# Altium PCB PCB1.PcbDoc (part 4 of 5)
Units mm, origin at the board's own origin, x right, y up, seen from the top; angles counter-clockwise.
Board outline 160 x 50 mm, 6 copper layers (Top Layer, Layer 1, Top Middle Layer, Bottom Middle Layer, Layer 2, Bottom Layer), stack 0.885 mm thick; 337 components, 281 nets, 1269 pads, 489 vias.
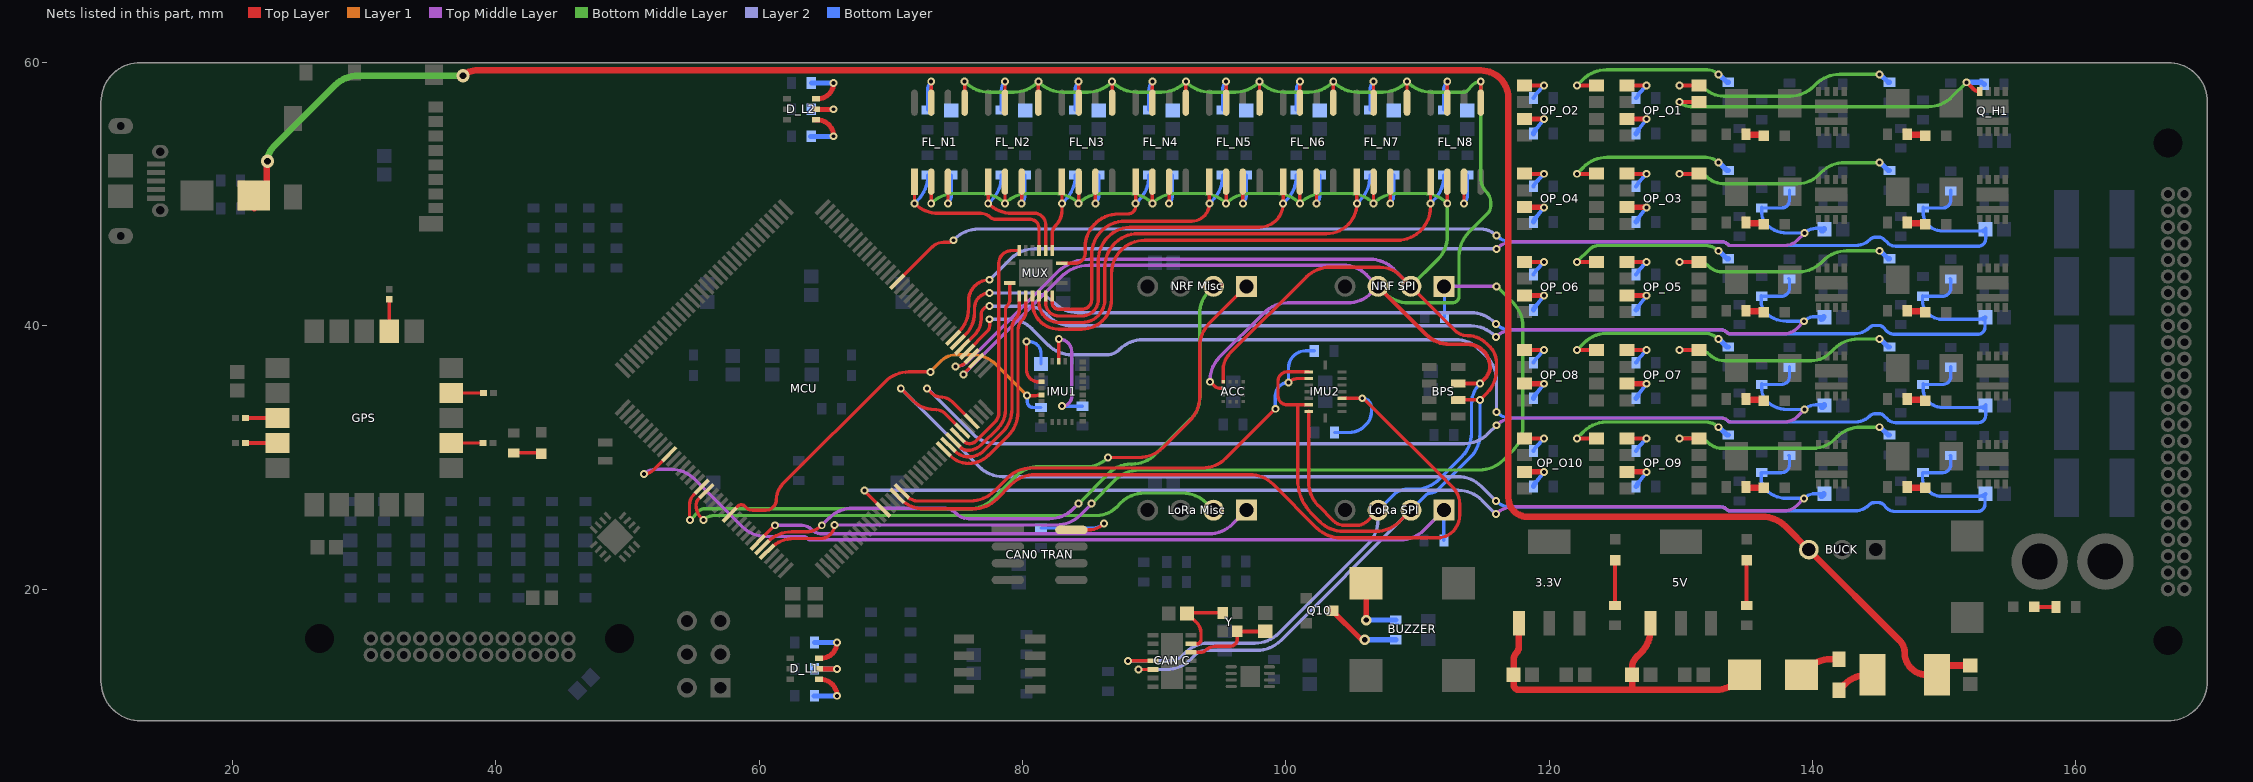
[diagram p8: the nets of this part, all layers, seen from the top]

## Via types
v1: diameter 0.6, hole 0.3, Top Layer to Bottom Layer, 440 vias
v2: diameter 1, hole 0.5, Top Layer to Bottom Layer, 25 vias
v3: diameter 0.8, hole 0.4, Top Layer to Bottom Layer, 12 vias
v4: diameter 6, hole 3.2, Top Layer to Bottom Layer, 5 vias
v5: diameter 0.5, hole 0.3, Top Layer to Bottom Layer, 4 vias
v6: diameter 1.4, hole 0.7, Top Layer to Bottom Layer, 2 vias
v7: diameter 1, hole 0.6, Top Layer to Bottom Layer, 1 vias

## Nets (pads, with @x,y where several pads share a name; then routed paths per layer and width w, separated by ;. In a path a pad name is that pad's centre, name@x,y a point inside that pad or via, vN(x,y) a via of type N, cw(c..) or ccw(c..) an arc to the next point about the centre after c; other vN are vias at no path point) (continued)
"HPO VD3": C_H3.2 MCU.128 R8_H3.1 R9_H3.2 | length 95.7
  Top Layer w0.254: MCU.128@70.485,43.343 73.133,45.991 cw(c74,45.124) 74,46.35 74.388,46.35 ccw(c74.388,46.862) v1(74.75,46.5)
  Layer 2 w0.254: v1(74.75,46.5) 74.856,46.606 cw(c76.652,44.81) 76.652,47.35 114.793,47.35 cw(c114.793,45.643) v1(116,46.85)
  Bottom Layer w0.254: v1(116,46.85) ccw(c117.086,47.936) 117.086,46.4 133.067,46.4 cw(c133.067,45.717) 133.55,46.2 ccw(c133.791,46.441) 133.791,46.1 143.264,46.1 ccw(c143.264,47.636) 144.35,46.55 cw(c144.785,46.115) 144.785,46.73 145.07,46.73 cw(c145.07,46.247) 145.411,46.589 145.7,46.3 ccw(c146.304,46.904) 146.304,46.05 152.6,46.05 ccw(c152.6,46.6) 153.15,46.6 C_H3.2@153.15,47.4 ; R8_H3.1@148.4,49 R8_H3.1@148.4,48.95 ; R9_H3.2@150.5,50.25 150.5,49.55 cw(c149.9,49.55) 149.9,48.95 R8_H3.1@148.4,48.95 ; C_H3.2@152.95,47.15 ccw(c152.95,47.35) C_H3.2@153.15,47.35 ; C_H3.2@152.95,47.2 ccw(c152.95,47.4) C_H3.2@153.15,47.4 ; R8_H3.1@148.4,48.95 148.4,48.616 ccw(c149.766,48.616) 148.8,47.65 ccw(c149.886,48.736) 149.886,47.2 152.667,47.2 ccw(c152.667,47.883) C_H3.2@153.15,47.4
"HPO VD4": C_H4.2 MCU.116 R8_H4.1 R9_H4.2 | length 78.8
  Top Layer w0.254: MCU.116@74.728,39.101 75.167,39.539 ccw(c73.406,41.3) 75.896,41.3 75.896,41.35 cw(c77.5,41.35) 75.9,41.456 ccw(c75.646,41.472) 75.9,41.471 75.9,41.9 cw(c77.5,41.9) v1(77.5,43.5)
  Top Middle Layer w0.254: v1(116,45.85) cw(c117.328,44.522) 117.328,46.4 133.067,46.4 cw(c133.067,45.717) 133.55,46.2 ccw(c133.791,46.441) 133.791,46.1 137.9,46.1 ccw(c137.9,47.428) 138.839,46.489 v1(139.4,47.05)
  Layer 2 w0.254: v1(77.5,43.5) 79.106,45.106 cw(c80.902,43.31) 80.902,45.85 v1(116,45.85)
  Bottom Layer w0.254: R8_H4.1@136.15,48.95 137.65,48.95 ccw(c137.65,49.55) 138.25,49.55 R9_H4.2@138.25,50.25 ; R8_H4.1@136.15,49 136.15,48.545 ccw(c137.345,48.545) 136.5,47.7 ccw(c138.069,49.269) 138.069,47.05 v1(139.4,47.05) cw(c140.245,46.205) 140.245,47.4 C_H4.2@140.9,47.4 ; C_H4.2@140.7,47.15 ccw(c140.7,47.35) C_H4.2@140.9,47.35
  Bottom Layer w0.4: C_H4.2@140.7,47.2 ccw(c140.7,47.4) C_H4.2@140.9,47.4
"HPO VD5": C_H5.2 MCU.115 R8_H5.1 R9_H5.2 | length 92.5
  Top Layer w0.254: MCU.115@75.081,38.747 75.654,39.319 ccw(c73.973,41) 76.35,41 76.35,41.35 cw(c77.5,41.35) v1(77.5,42.5)
  Layer 2 w0.254: v1(77.5,42.5) 80.66,42.5 cw(c80.66,40.11) 82.35,41.8 82.406,41.744 ccw(c84.202,43.54) 84.202,41 114.048,41 cw(c114.048,38.46) 115.844,40.256 v1(115.95,40.15)
  Bottom Layer w0.254: v1(115.95,40.15) ccw(c117.036,41.236) 117.036,39.7 133.017,39.7 cw(c133.017,39.017) 133.5,39.5 ccw(c133.741,39.741) 133.741,39.4 143.214,39.4 ccw(c143.214,40.936) 144.3,39.85 cw(c144.735,39.415) 144.735,40.03 145.02,40.03 cw(c145.02,39.547) 145.361,39.889 145.65,39.6 ccw(c146.254,40.204) 146.254,39.35 152.55,39.35 ccw(c152.55,39.9) 153.1,39.9 C_H5.2@153.1,40.7 ; R8_H5.1@148.35,42.3 148.35,41.916 ccw(c149.716,41.916) 148.75,40.95 ccw(c149.836,42.036) 149.836,40.5 152.617,40.5 ccw(c152.617,41.183) C_H5.2@153.1,40.7 ; R8_H5.1@148.4,42.25 149.9,42.25 ccw(c149.9,42.85) 150.5,42.85 R9_H5.2@150.5,43.55 ; C_H5.2@152.9,40.5 ccw(c152.9,40.7) C_H5.2@153.1,40.7 ; C_H5.2@152.95,40.45 ccw(c152.95,40.65) C_H5.2@153.15,40.65
"HPO VD6": C_H6.2 MCU.114 R8_H6.1 R9_H6.2 | length 76.9
  Top Layer w0.254: MCU.114@75.435,38.393 76.361,39.319 ccw(c75.18,40.5) 76.85,40.5 76.85,40.85 cw(c77.5,40.85) v1(77.5,41.5)
  Top Middle Layer w0.254: v1(115.95,39.15) cw(c117.278,37.822) 117.278,39.7 133.017,39.7 cw(c133.017,39.017) 133.5,39.5 ccw(c133.741,39.741) 133.741,39.4 137.85,39.4 ccw(c137.85,40.728) 138.789,39.789 v1(139.35,40.35)
  Layer 2 w0.254: v1(77.5,41.5) 80.351,41.5 cw(c80.351,39.451) 81.8,40.9 81.956,40.744 ccw(c83.752,42.54) 83.752,40 114.048,40 cw(c114.048,37.46) 115.844,39.256 v1(115.95,39.15)
  Bottom Layer w0.254: R8_H6.1@136.1,42.3 136.1,41.845 ccw(c137.295,41.845) 136.45,41 ccw(c138.019,42.569) 138.019,40.35 v1(139.35,40.35) cw(c140.195,39.505) 140.195,40.7 C_H6.2@140.85,40.7 ; R8_H6.1@136.15,42.25 137.65,42.25 ccw(c137.65,42.85) 138.25,42.85 R9_H6.2@138.25,43.55 ; C_H6.2@140.7,40.45 ccw(c140.7,40.65) C_H6.2@140.9,40.65
  Bottom Layer w0.4: C_H6.2@140.65,40.5 ccw(c140.65,40.7) C_H6.2@140.85,40.7
"HPO VD7": C_H7.2 MCU.113 R8_H7.1 R9_H7.2 | length 95.5
  Top Layer w0.254: MCU.113@75.789,38.04 77.324,39.575 ccw(c76.9,40) 77.5,40 v1(77.5,40.5)
  Layer 2 w0.254: v1(77.5,40.5) 78.948,40.5 cw(c78.948,37.96) 80.744,39.756 81.956,38.544 ccw(c83.752,40.34) 83.752,37.8 86.384,37.8 ccw(c86.384,39.166) 87.35,38.2 87.356,38.206 cw(c89.152,36.41) 89.152,38.95 112.898,38.95 cw(c112.898,36.41) 114.694,38.206 115.256,37.644 cw(c113.46,35.848) 116,35.848 v1(116,33.45)
  Bottom Layer w0.254: v1(116,33.45) ccw(c117.086,34.536) 117.086,33 133.067,33 cw(c133.067,32.317) 133.55,32.8 ccw(c133.791,33.041) 133.791,32.7 143.264,32.7 ccw(c143.264,34.236) 144.35,33.15 cw(c144.785,32.715) 144.785,33.33 145.07,33.33 cw(c145.07,32.847) 145.411,33.189 145.7,32.9 ccw(c146.304,33.504) 146.304,32.65 152.6,32.65 ccw(c152.6,33.2) 153.15,33.2 C_H7.2@153.15,34 ; R8_H7.1@148.4,35.55 149.9,35.55 ccw(c149.9,36.15) 150.5,36.15 R9_H7.2@150.5,36.85 ; R8_H7.1@148.4,35.6 148.4,35.216 ccw(c149.766,35.216) 148.8,34.25 ccw(c149.886,35.336) 149.886,33.8 152.667,33.8 ccw(c152.667,34.483) C_H7.2@153.15,34 ; C_H7.2@152.95,33.75 ccw(c152.95,33.95) C_H7.2@153.15,33.95 ; C_H7.2@152.95,33.8 ccw(c152.95,34) C_H7.2@153.15,34
"HPO VD8": C_H8.2 MCU.105 R8_H8.1 R9_H8.2 | length 83.5
  Top Layer w0.254: v1(72.75,35.25) 73.153,34.847 ccw(c73.75,35.445) 73.75,34.6 cw(c73.75,33.324) 74.653,34.226 MCU.105@76.142,32.737
  Top Middle Layer w0.254: v1(116,32.45) cw(c117.328,31.122) 117.328,33 133.067,33 cw(c133.067,32.317) 133.55,32.8 ccw(c133.791,33.041) 133.791,32.7 137.9,32.7 ccw(c137.9,34.028) 138.839,33.089 v1(139.4,33.65)
  Layer 2 w0.254: v1(72.75,35.25) 76.206,31.794 ccw(c78.002,33.59) 78.002,31.05 113.548,31.05 ccw(c113.548,33.59) 115.344,31.794 v1(116,32.45)
  Bottom Layer w0.254: R8_H8.1@136.15,35.55 137.65,35.55 ccw(c137.65,36.15) 138.25,36.15 R9_H8.2@138.25,36.85 ; R8_H8.1@136.15,35.6 136.15,35.145 ccw(c137.345,35.145) 136.5,34.3 ccw(c138.069,35.869) 138.069,33.65 v1(139.4,33.65) cw(c140.245,32.805) 140.245,34 C_H8.2@140.9,34 ; C_H8.2@140.7,33.75 ccw(c140.7,33.95) C_H8.2@140.9,33.95
  Bottom Layer w0.4: C_H8.2@140.7,33.8 ccw(c140.7,34) C_H8.2@140.9,34
"HPO VD9": C_H9.2 MCU.103 R8_H9.1 R9_H9.2 | length 103
  Top Layer w0.254: v1(70.75,35.25) 71.678,34.322 ccw(c73.3,35.943) 73.3,33.65 cw(c73.3,32.408) 74.178,33.286 MCU.103@75.435,32.029
  Layer 2 w0.254: v1(70.75,35.25) 76.706,29.294 ccw(c78.502,31.09) 78.502,28.55 113.048,28.55 cw(c113.048,26.01) 114.844,27.806 v1(115.95,26.7)
  Bottom Layer w0.254: v1(115.95,26.7) ccw(c117.036,27.786) 117.036,26.25 133.017,26.25 cw(c133.017,25.567) 133.5,26.05 ccw(c133.741,26.291) 133.741,25.95 143.214,25.95 ccw(c143.214,27.486) 144.3,26.4 cw(c144.735,25.965) 144.735,26.58 145.02,26.58 cw(c145.02,26.097) 145.361,26.439 145.65,26.15 ccw(c146.254,26.754) 146.254,25.9 152.55,25.9 ccw(c152.55,26.45) 153.1,26.45 C_H9.2@153.1,27.118 ; R8_H9.1@148.35,28.85 148.35,28.466 ccw(c149.716,28.466) 148.75,27.5 ccw(c149.836,28.586) 149.836,27.05 152.617,27.05 ccw(c152.617,27.733) C_H9.2@153.1,27.25 ; R8_H9.1@148.4,28.85 149.9,28.85 ccw(c149.9,29.45) 150.5,29.45 R9_H9.2@150.5,30.15 ; C_H9.2@152.9,27.05 ccw(c152.9,27.25) C_H9.2@153.1,27.25 ; C_H9.2@152.95,27.05 ccw(c152.95,27.25) C_H9.2@153.1,27.118 ; C_H9.2@153.15,27.25 cw(c152.95,27.25) C_H9.2@153.1,27.118 ; C_H9.2@153.1,27.118 C_H9.2@153.1,27.25
"HPO VD10": C_H10.2 MCU.86 R8_H10.1 R9_H10.2 | length 84.4
  Top Layer w0.254: v1(68,27.5) ccw(c68.136,27.5) 68.04,27.404 MCU.86@69.425,26.019
  Top Middle Layer w0.254: v1(115.95,25.7) cw(c117.278,24.372) 117.278,26.25 133.017,26.25 cw(c133.017,25.567) 133.5,26.05 ccw(c133.741,26.291) 133.741,25.95 137.85,25.95 ccw(c137.85,27.278) 138.789,26.339 v1(139.35,26.9)
  Layer 2 w0.254: v1(68,27.5) 113.098,27.5 cw(c113.098,24.96) 114.894,26.756 v1(115.95,25.7)
  Bottom Layer w0.254: R8_H10.1@136.1,28.85 136.1,28.395 ccw(c137.295,28.395) 136.45,27.55 ccw(c138.019,29.119) 138.019,26.9 v1(139.35,26.9) cw(c140.195,26.055) 140.195,27.25 C_H10.2@140.85,27.25 ; R8_H10.1@136.15,28.85 137.65,28.85 ccw(c137.65,29.45) 138.25,29.45 R9_H10.2@138.25,30.15 ; C_H10.2@140.7,27.05 ccw(c140.7,27.25) C_H10.2@140.9,27.25
  Bottom Layer w0.4: C_H10.2@140.65,27.05 ccw(c140.65,27.25) C_H10.2@140.85,27.25
"IMU1 RST": IMU1.11 MCU.60 R405.2 | length 32.2
  Top Layer w0.254: MCU.60@57.757,25.666 58.415,26.324 ; 58.416,26.324 cw(c58.6,26.139) 58.6,26.4 58.659,26.4 cw(c58.659,26.059) 58.9,26.3 58.988,26.212 ccw(c59.5,26.724) 59.5,26 60.5,26 ccw(c60.5,26.8) 61.3,26.8 cw(c62.99,26.8) 61.795,27.995 69.556,35.756 cw(c71.352,33.96) 71.352,36.5 v1(73,36.5) ; v1(80.35,34.7) 81.014,34.7 ccw(c81.013,34.954) 81.097,34.714 cw(c81.2,34.425) 81.2,34.732 81.327,34.732 IMU1.11@81.438,34.75
  Layer 1 w0.254: v1(73,36.5) 73.876,37.376 cw(c74.9,36.351) 74.9,37.8 76.198,37.8 cw(c76.198,35.26) 77.994,37.056 v1(80.35,34.7)
  Bottom Layer w0.254: v1(80.35,34.7) 80.35,34.25 ccw(c80.8,34.25) 80.8,33.8 R405.2@81.4,33.8
"IMU2 CSBA": IMU2.14 MCU.90 R408.2 | length 39.2
  Top Layer w0.254: MCU.90@70.839,27.433 MCU.90@71.34,26.932 ; MCU.90@71.34,26.932 ccw(c71.52,27.112) 71.422,26.877 71.803,26.719 ccw(c71.9,26.954) 71.9,26.7 76.048,26.7 ccw(c76.048,29.24) 77.844,27.444 78.856,28.456 cw(c80.652,26.66) 80.652,29.2 93.648,29.2 ccw(c93.648,31.74) 95.444,29.944 v1(99.2,33.7) ; v1(100.2,35.7) cw(c100.924,34.976) 100.924,36 IMU2.14@101.737,36
  Bottom Layer w0.254: v1(99.2,33.7) 99.2,34.7 cw(c100.2,34.7) v1(100.2,35.7) 100.2,36.8 cw(c101.5,36.8) 101.5,38.1 R408.2@102.15,38.1
"IMU2 CSBG": IMU2.5 MCU.89 R407.2 | length 65.2
  Top Layer w0.254: MCU.89@70.485,27.08 70.721,26.844 ccw(c72.517,28.64) 72.517,26.1 76.248,26.1 ccw(c76.248,28.64) 78.044,26.844 79.156,27.956 cw(c80.952,26.16) 80.952,28.7 97.248,28.7 cw(c97.248,26.16) 99.044,27.956 102.356,24.644 ccw(c104.152,26.44) 104.152,23.9 111.493,23.9 ccw(c111.493,25.607) 112.7,24.4 ccw(c111.493,25.607) 113.2,25.607 113.2,26.493 ccw(c111.493,26.493) 112.7,27.7 105.971,34.429 ccw(c105.8,34.259) v1(105.8,34.5) IMU2.5@104.263,34.5
  Bottom Layer w0.254: R407.2@103.7,31.9 104.793,31.9 ccw(c104.793,33.607) 106,32.4 106.076,32.476 ccw(c105.051,33.5) 106.5,33.5 106.5,33.8 ccw(c105.8,33.8) v1(105.8,34.5)
"LoRa CSN": "LoRa SPI.1" MCU.47 R603.2 | length 68.4
  Top Layer w0.254: v1(51.25,28.75) ccw(c51.25,29.714) 51.932,29.032 MCU.47@53.161,30.262
  Top Middle Layer w0.254: v1(51.25,28.75) cw(c52.095,27.905) 52.095,29.1 53.298,29.1 cw(c53.298,26.56) 55.094,28.356 58.706,24.744 ccw(c60.502,26.54) 60.502,24 63.302,24 cw(c63.302,23.488) 63.664,23.85 ccw(c63.915,24.101) 63.915,23.746 94.148,23.746 ccw(c94.148,26.74) 94.295,23.75 cw(c94.309,23.496) 94.308,23.75 108.699,23.75 ccw(c108.698,26.29) 110.494,24.494 112,26
  Bottom Layer w0.254: R603.2@112,23.7 112,26
"LoRa INT": "LoRa Misc.1" MCU.66 | length 38.5
  Top Layer w0.254: MCU.66@59.879,23.544 v1(61.184,24.85)
  Top Middle Layer w0.254: v1(61.184,24.85) 63.226,24.85 cw(c63.226,23.826) 63.95,24.55 ccw(c64.795,25.395) 64.795,24.2 64.9,24.2 94.148,24.2 ccw(c94.148,26.74) 95.944,24.944 97,26
"LoRa RST": "LoRa Misc.2" MCU.55 | length 42.4
  Top Layer w0.254: v1(55.75,25.25) 55.624,25.376 cw(c56.649,26.4) 55.2,26.4 cw(c55.788,26.4) 55.372,26.816 MCU.55@55.99,27.433
  Bottom Middle Layer w0.254: v1(55.75,25.25) cw(c56.595,24.405) 56.595,25.6 85.651,25.6 ccw(c85.651,27.649) 87.1,26.2 87.456,26.556 cw(c89.252,24.76) 89.252,27.3 92.148,27.3 cw(c92.148,24.76) 93.944,26.556 94.5,26
MISO: "CAN C.12" "LoRa SPI.2" "NRF SPI.2" ACC.1 BPS.6 FL_N1.2 FL_N2.2 FL_N3.2 FL_N4.2 FL_N5.2 FL_N6.2 FL_N7.2 FL_N8.2 IMU2.10 IMU2.15 MCU.112 | length 196.7
  Top Layer w0.254: FL_N1.2@73.05,50.94 FL_N1.2@73.06,50.95 v1(73.06,49.3) ; v1(74.9,36.9) ccw(c74.9,38) 75.678,37.222 MCU.112@76.142,37.686 ; FL_N2.2@78.65,50.94 FL_N2.2@78.66,50.95 v1(78.66,49.3) ; FL_N3.2@84.25,50.94 FL_N3.2@84.26,50.95 v1(84.26,49.3) ; v1(88.8,13.9) 89.9,13.9 ; FL_N4.2@89.85,50.94 FL_N4.2@89.86,50.95 v1(89.86,49.3) ; ACC.1@95.237,35.75 95.237,36.663 cw(c96.987,36.663) 95.75,37.9 101.556,43.706 cw(c103.352,41.91) 103.352,44.45 107.15,44.45 cw(c107.15,42.277) 108.686,43.814 109.5,43 112.861,39.639 ccw(c113.8,40.578) 113.8,39.25 cw(c113.8,37.198) 115.251,38.649 115.5,38.4 cw(c114.293,37.193) 116,37.193 116,36.677 cw(c113.46,36.677) 115.256,34.881 v1(114.75,34.375) BPS.6@113.1,34.375 ; FL_N5.2@95.45,50.94 FL_N5.2@95.46,50.95 v1(95.46,49.3) ; FL_N6.2@101.05,50.94 FL_N6.2@101.06,50.95 v1(101.06,49.3) ; IMU2.10@101.737,34 100.919,34 ; IMU2.15@101.737,36.5 100.1,36.5 ccw(c100.1,35.8) 99.4,35.8 99.4,34.7 ccw(c100.1,34.7) 100.1,34 100.919,34 ; FL_N7.2@106.65,50.94 FL_N7.2@106.66,50.95 v1(106.66,49.3) ; 109.5,26 108.64,25.14 cw(c106.844,26.936) 106.844,24.396 104.356,24.396 cw(c104.356,26.936) 102.56,25.14 102.494,25.206 101.962,25.738 cw(c104.526,28.302) 100.9,28.302 100.9,33.981 cw(c100.919,33.981) 100.919,34 ; FL_N8.2@112.25,50.94 FL_N8.2@112.26,50.95 v1(112.26,49.3)
  Top Middle Layer w0.254: v1(74.9,36.9) ccw(c74.9,38.228) 75.839,37.289 80.85,42.3 ccw(c80.712,42.513) 80.891,42.333 82.59,44.032 cw(c84.702,41.91) 82.83,44.246 ccw(c82.67,44.444) 82.832,44.248 cw(c85.052,41.61) 85.052,45.058 106.39,45.058 cw(c106.39,42.518) 108.186,44.314 109.5,43
  Bottom Middle Layer w0.254: v1(73.06,49.3) 73.066,49.306 cw(c74.862,47.51) 74.862,50.05 76.858,50.05 cw(c76.858,47.51) 78.654,49.306 v1(78.66,49.3) 78.666,49.306 cw(c80.462,47.51) 80.462,50.05 82.458,50.05 cw(c82.458,47.51) 84.254,49.306 v1(84.26,49.3) 84.266,49.306 cw(c86.062,47.51) 86.062,50.05 88.058,50.05 cw(c88.058,47.51) 89.854,49.306 v1(89.86,49.3) 89.866,49.306 cw(c91.662,47.51) 91.662,50.05 93.658,50.05 cw(c93.658,47.51) 95.454,49.306 v1(95.46,49.3) 95.466,49.306 cw(c97.262,47.51) 97.262,50.05 99.258,50.05 cw(c99.258,47.51) 101.054,49.306 v1(101.06,49.3) 101.066,49.306 cw(c102.862,47.51) 102.862,50.05 104.858,50.05 cw(c104.858,47.51) 106.654,49.306 v1(106.66,49.3) 106.666,49.306 cw(c108.462,47.51) 108.462,50.05 110.458,50.05 cw(c110.458,47.51) 112.254,49.306 v1(112.26,49.3) 112.26,46.812 cw(c109.72,46.812) 111.516,45.016 109.5,43
  Layer 2 w0.254: v1(88.8,13.9) 90.948,13.9 ccw(c90.948,16.44) 92.744,14.644 93.132,15.032 cw(c93.9,14.264) 93.9,15.35 97.798,15.35 ccw(c97.798,17.89) 99.594,16.094 109.5,26
  Bottom Layer w0.254: 109.5,26 110.659,27.159 cw(c111,26.817) 111,27.3 ccw(c111,28.024) 111.512,27.512 114.006,30.006 ccw(c112.21,31.802) 114.75,31.802 v1(114.75,34.375)
MOSI: "CAN C.11" "LoRa SPI.3" "NRF SPI.3" ACC.2 BPS.7 FL_N1.5 FL_N2.5 FL_N3.5 FL_N4.5 FL_N5.5 FL_N6.5 FL_N7.5 FL_N8.5 IMU2.9 MCU.111 | length 201.7
  Top Layer w0.254: v1(75.5,36.3) cw(c75.59,36.3) 75.526,36.363 MCU.111@76.496,37.333 ; FL_N1.5@75.6,56.95 v1(75.6,58.55) ; FL_N2.5@81.2,56.95 v1(81.2,58.55) ; FL_N3.5@86.8,56.95 v1(86.8,58.55) ; v1(88,14.55) 89.9,14.55 ; FL_N4.5@92.4,56.95 v1(92.4,58.55) ; v1(94.25,35.75) 94.55,35.45 ccw(c95.033,35.933) 95.033,35.25 ACC.2@95.237,35.25 ; FL_N5.5@98,56.95 v1(98,58.55) ; IMU2.9@101.737,33.5 101.737,28.115 ccw(c104.277,28.115) 102.481,26.319 103.6,25.2 ccw(c104.445,26.045) 104.445,24.85 105.4,24.85 ccw(c105.4,25.936) 106.168,25.168 107,26 ; FL_N6.5@103.6,56.95 v1(103.6,58.55) ; FL_N7.5@109.2,56.95 v1(109.2,58.55) ; FL_N8.5@114.8,56.95 v1(114.8,58.55)
  Top Layer w0.3: 107,43 110.656,39.344 ccw(c112.452,41.14) 112.452,38.6 113.8,38.6 cw(c113.8,36.9) 115.5,36.9 cw(c114.232,36.9) 115.129,36.004 v1(114.75,35.625) BPS.7@113.1,35.625
  Top Middle Layer w0.254: v1(75.5,36.3) 82.906,43.706 cw(c84.702,41.91) 83.117,43.895 ccw(c82.958,44.093) 83.121,43.898 ; 83.121,43.898 cw(c85.052,41.61) 85.052,44.604 104.344,44.604 cw(c104.344,42.064) 106.14,43.86 107,43 ; v1(94.25,35.75) 94.25,35.91 cw(c96.64,35.91) 94.95,37.6 98.356,41.006 cw(c100.152,39.21) 100.152,41.75 104.698,41.75 ccw(c104.698,44.29) 106.494,42.494 107,43 ; 107.506,42.494 107,43
  Bottom Middle Layer w0.254: v1(75.6,58.55) 75.656,58.494 ccw(c77.452,60.29) 77.452,57.75 79.348,57.75 ccw(c79.348,60.29) 81.144,58.494 v1(81.2,58.55) 81.256,58.494 ccw(c83.052,60.29) 83.052,57.75 84.948,57.75 ccw(c84.948,60.29) 86.744,58.494 v1(86.8,58.55) 86.856,58.494 ccw(c88.652,60.29) 88.652,57.75 90.548,57.75 ccw(c90.548,60.29) 92.344,58.494 v1(92.4,58.55) 92.456,58.494 ccw(c94.252,60.29) 94.252,57.75 96.148,57.75 ccw(c96.148,60.29) 97.944,58.494 v1(98,58.55) 98.056,58.494 ccw(c99.852,60.29) 99.852,57.75 101.748,57.75 ccw(c101.748,60.29) 103.544,58.494 v1(103.6,58.55) 103.656,58.494 ccw(c105.452,60.29) 105.452,57.75 107.348,57.75 ccw(c107.348,60.29) 109.144,58.494 v1(109.2,58.55) 109.256,58.494 ccw(c111.052,60.29) 111.052,57.75 113.53,57.75 ccw(c113.53,58.04) 113.735,57.835 114.25,58.35 cw(c114.733,57.867) 114.733,58.55 v1(114.8,58.55) 114.8,51.236 ccw(c116.336,51.236) 115.25,50.15 cw(c114.526,49.426) 115.55,49.426 115.55,49.1 cw(c114.705,49.1) 115.303,48.503 113.894,47.094 ccw(c115.69,45.298) 113.15,45.298 113.15,42.25 cw(c112.65,42.25) 112.65,41.75 109.302,41.75 cw(c109.302,44.29) 107.506,42.494 107,43
  Layer 2 w0.254: v1(88,14.55) 91.114,14.55 ccw(c91.114,16.086) 92.2,15 92.393,15.193 cw(c94.1,13.486) 94.1,15.9 97.648,15.9 ccw(c97.648,18.44) 99.444,16.644 106.256,23.456 ccw(c104.46,25.252) 107,25.252 107,26
  Bottom Layer w0.254: 107,26 108.105,27.105 cw(c109.3,25.91) 109.3,27.6 109.848,27.6 ccw(c109.848,30.14) 111.644,28.344 113.356,30.056 ccw(c111.56,31.852) 114.1,31.852 114.1,34.056 cw(c116.319,34.056) 114.121,34.36 ccw(c113.869,34.394) 114.123,34.387 cw(c114.75,34.375) 114.168,34.608 ccw(c113.932,34.702) 114.177,34.635 cw(c116.319,34.056) 114.749,35.624 v1@114.644,35.519
"MUX B1": FL_N1.1 MUX.4 R1_N1.2 | length 16
  Top Layer w0.254: FL_N1.1@71.79,50.95 v1(71.79,49.3) 71.796,49.294 ccw(c73.592,51.09) 73.592,48.55 76.826,48.55 cw(c76.826,47.526) 77.55,48.25 ccw(c77.922,48.622) 77.922,48.096 80.611,48.096 cw(c80.61,47.842) 80.642,48.094 cw(c80.55,47.4) 81.25,47.4 MUX.4@81.25,45.725
  Bottom Layer w0.254: v1(71.79,49.3) 72.046,49.556 ccw(c70.25,51.352) 72.79,51.352 R1_N1.2@72.79,51.45
"MUX B2": FL_N2.1 MUX.3 R1_N2.2 | length 11.1
  Top Layer w0.254: FL_N2.1@77.39,50.95 v1(77.39,49.3) 77.396,49.294 ccw(c79.192,51.09) 79.192,48.55 80.9,48.55 cw(c80.9,47.7) 81.75,47.7 MUX.3@81.75,45.725
  Bottom Layer w0.254: v1(77.39,49.3) 77.646,49.556 ccw(c75.85,51.352) 78.39,51.352 R1_N2.2@78.39,51.45
"MUX B3": FL_N3.1 MUX.2 R1_N3.2 | length 7.9
  Top Layer w0.254: MUX.2@82.25,45.725 82.25,46.996 cw(c83.104,46.996) 82.5,47.6 ccw(c81.317,48.783) 82.99,48.783 v1(82.99,49.3) FL_N3.1@82.99,50.95
  Bottom Layer w0.254: v1(82.99,49.3) 83.246,49.556 ccw(c81.45,51.352) 83.99,51.352 R1_N3.2@83.99,51.45
"MUX B4": FL_N4.1 MUX.1 R1_N4.2 | length 12.6
  Top Layer w0.254: MUX.1@82.975,44.75 84,44.75 ccw(c84,45.5) 84.75,45.5 84.75,45.96 cw(c87.29,45.96) 87.29,48.5 88,48.5 ccw(c88,49.09) 88.59,49.09 v1(88.59,49.3) FL_N4.1@88.59,50.95
  Bottom Layer w0.254: v1(88.59,49.3) 88.846,49.556 ccw(c87.05,51.352) 89.59,51.352 R1_N4.2@89.59,51.45
"MUX B5": FL_N5.1 MUX.15 R1_N5.2 | length 22.9
  Top Layer w0.254: MUX.15@82.25,42.275 82.25,41.75 ccw(c82.75,41.75) 82.75,41.25 84.5,41.25 ccw(c84.5,42) 85.25,42 85.25,45.41 cw(c87.79,45.41) 87.79,47.95 92.84,47.95 ccw(c92.84,49.3) v1(94.19,49.3) FL_N5.1@94.19,50.95